# Altium PCB LimeSDR-QPCIe_1v2.PcbDoc (part 16 of 21) (continued)
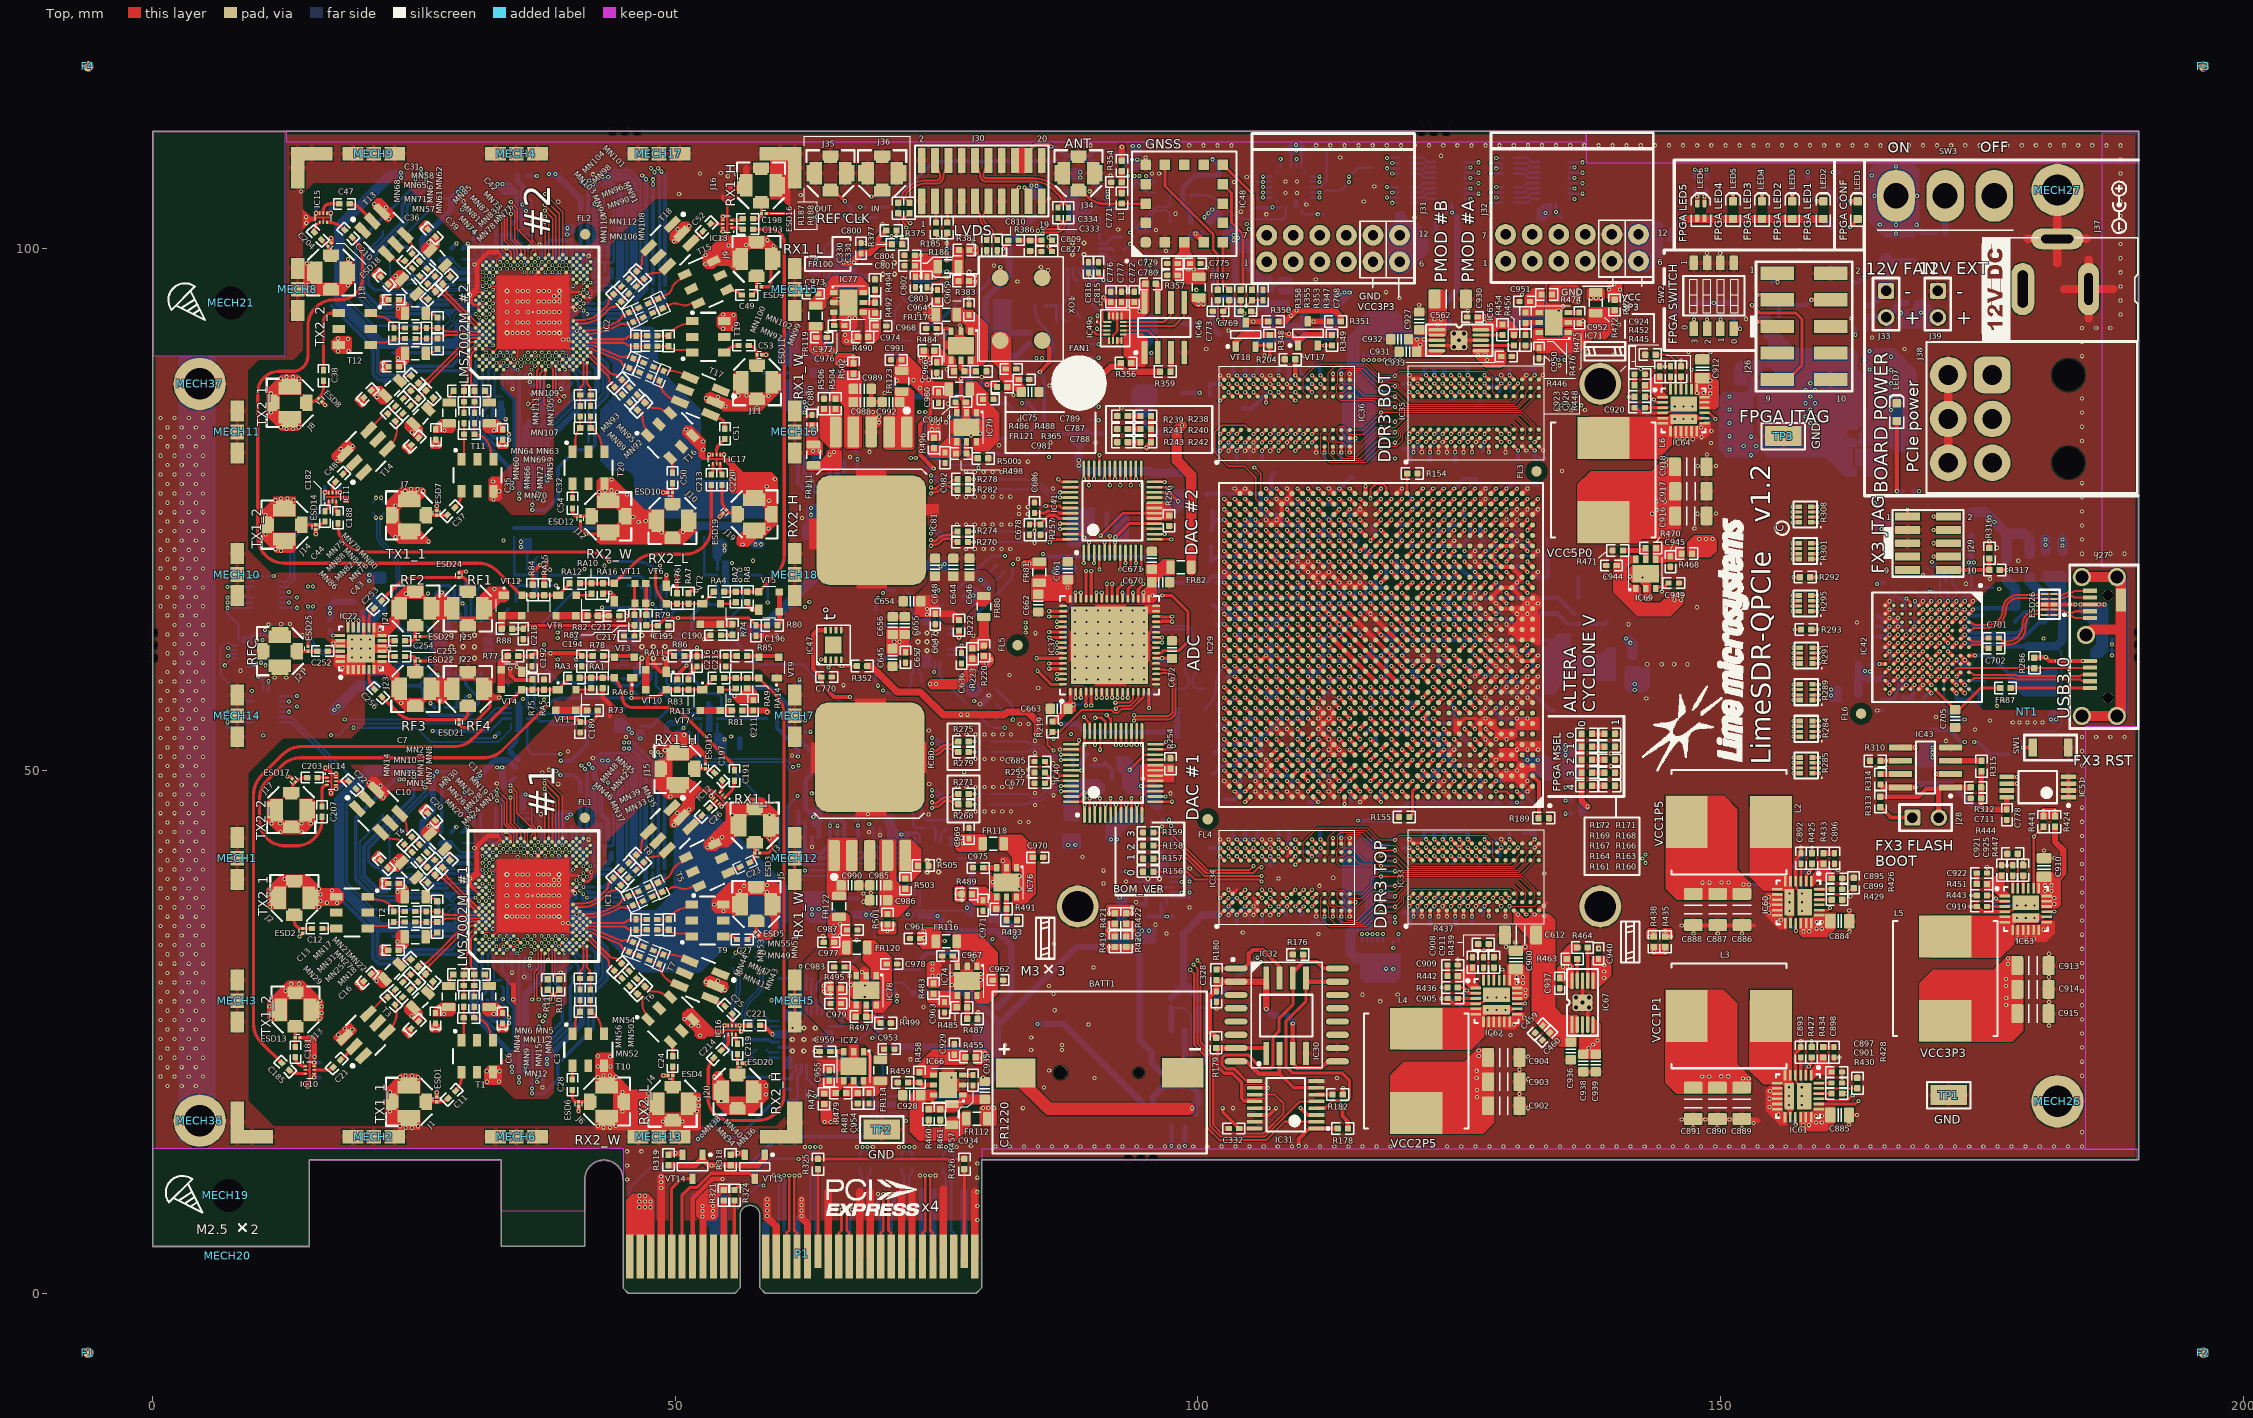
[diagram p0: Top view]
## Nets (pads, with @x,y where several pads share a name; then routed paths per layer and width w, separated by ;. In a path a pad name is that pad's centre, name@x,y a point inside that pad or via, vN(x,y) a via of type N, cw(c..) or ccw(c..) an arc to the next point about the centre after c; other vN are vias at no path point) (continued)
  L3 w0.4: v1(59.1,20.7) 59.825,21.425 ; v1(59.2,28.025) 59.825,27.4 59.825,21.425 ; v1(63.35,18.85) 63.35,19.5 61.425,21.425 59.825,21.425
  Bottom w0.3: FR71.2@56,20.55 56.15,20.7 v1(59.1,20.7) 59.25,20.55 C234.2@60.1,20.55 C238.2@61.1,20.55 61.1,20.9 61.55,21.35 IC19.22@61.55,21.875 ; v1(59.2,28.025) C241.2@59.725,28.025 C242.2@60.725,28.025 61.55,27.2 IC19.3@61.55,26.675 ; C235.2@62.55,20.55 63.75,19.35 C237.2@63.75,18.85 ; C235.2@62.55,20.575 IC19.20@62.55,21.875
  Bottom w0.4: v1(63.35,18.85) C237.2@63.75,18.85
NetC236_2: C236.2 IC20.1 R102.1 | length 3.3
  Bottom w0.309: R102.1@67.363,28.631 67.363,29.606 C236.2@67.629,29.871 67.982,30.225 68.625,30.225 68.875,29.975 IC20.1@68.875,29.5
NetC240_1: C240.1 IC19.7 | length 1.4
  Bottom w0.3: IC19.7@63.55,26.675 C240.1@63.55,28.025
NetC243_2: C243.2 C244.1 IC20.3 R103.1 R104.2 | length 4.8
  Bottom w0.25: IC20.3@69.875,29.7 69.875,30.95 C244.1@69.882,30.957 C243.2@71.107,30.957 R104.2@72.357,30.957 R103.1@73.457,30.957
NetC249_1: C249.1 C250.2 R109.2 | length 2.3
  Bottom w0.25: C249.1@72.775,45.9 72.75,45.875 R109.2@72.75,44.8 73,44.55 C250.2@73.85,44.55
NetC250_1: C250.1 IC21.13 | length 1.3
  Bottom w0.25: C250.1@74.85,44.55 74.9,44.5 IC21.13@74.9,43.25
NetC251_2: C251.2 IC21.14 | length 1.5
  Bottom w0.25: IC21.14@75.4,43.25 75.4,43.95 C251.2@75.975,44.525
NetC252_1: C252.1 ESD25.1 J21.1 | length 1.9
  Top w0.309: J21.1@13.776,61.425 J21.1@13.876,61.425 C252.1@15.701,61.425
NetC252_2: C252.2 IC22.22 | length 1.2
  Top w0.309: C252.2@16.751,61.425 IC22.22@17.938,61.425
NetC253_1: C253.1 IC22.14 | length 2
  Top w0.309: IC22.14@20.688,63.675 20.688,64.326 cw(c22.405,64.326) C253.1@21.191,65.54
NetC253_2: C253.2 ESD24.1 J25.1 | length 10.1
  Top w0.309: C253.2@21.929,66.279 23.482,67.831 cw(c25.036,66.276) 25.036,68.475 29.55,68.475 cw(c29.55,67.875) 30.15,67.875 J25.1@30.15,67.225 J25.1@30.15,67.125
NetC254_1: C254.1 IC22.11 | length 1.2
  Top w0.309: IC22.11@21.938,62.425 C254.1@23.15,62.425
NetC254_2: C254.2 ESD23.1 J24.1 | length 2.4
  Top w0.3: J24.1@25.125,63.825 J24.1@25.125,63.925
  Top w0.309: C254.2@24.15,62.425 24.838,62.425 ccw(c24.838,62.712) 25.125,62.712 J24.1@25.125,63.825
NetC255_1: C255.1 IC22.8 | length 1.2
  Top w0.309: IC22.8@21.938,60.925 C255.1@23.15,60.925
NetC255_2: C255.2 ESD22.1 J23.1 | length 2.4
  Top w0.309: C255.2@24.15,60.925 24.838,60.925 cw(c24.838,60.638) 25.125,60.638 J23.1@25.125,59.525 J23.1@25.125,59.425
NetC256_1: C256.1 IC22.5 | length 2
  Top w0.309: IC22.5@20.688,59.675 20.688,59.024 ccw(c22.405,59.024) C256.1@21.191,57.81
NetC256_2: C256.2 ESD21.1 J22.1 | length 10.1
  Top w0.309: C256.2@21.929,57.071 23.482,55.519 ccw(c25.036,57.074) 25.036,54.875 29.55,54.875 ccw(c29.55,55.475) 30.15,55.475 J22.1@30.15,56.125 J22.1@30.15,56.225
NetC270_2: C270.2 IC23.1 R114.1 | length 2.6
  Bottom w0.3: R114.1@34.763,57.494 35.875,57.494 IC23.1@35.875,56.038
NetC271_2: C271.2 C272.1 IC23.3 R115.1 R116.2 | length 4.9
  Bottom w0.25: IC23.3@35.822,54.985 C272.1@36.965,54.985 ; C272.1@36.965,54.735 C271.2@38.215,54.735 ; C271.2@38.06,54.41 R116.2@39.44,54.41 R115.1@40.54,54.41
NetC273_1: C273.1 IC24.18 | length 2.3
  Bottom w0.3: IC24.18@30.95,59.45 30.95,58.408 C273.1@31.829,57.529
NetC278_2: C278.2 C279.2 C280.2 C282.2 C283.2 C286.2 C287.2 FR75.2 IC24.3 IC24.20 IC24.22 | length 37.6
  L6 w0.4: v1(26.35,66.95) 27.05,67.65 29.05,67.65 30.375,66.325 30.375,65.625 27.25,62.5 v1(27.25,59.2)
  Bottom w0.3: FR75.2@23.475,58.114 25.514,58.114 ; v1(26.35,66.95) 26.35,66.375 C286.2@27.125,65.6 C283.2@28.125,65.6 28.95,64.775 IC24.3@28.95,64.25 ; IC24.22@28.95,59.45 28.95,58.925 28.5,58.475 C280.2@28.5,58.125 C282.2@27.5,58.125 27.5,58.95 v1(27.25,59.2) 26.6,59.2 25.514,58.114 ; IC24.20@29.95,59.45 29.95,58.2 31.15,57 C279.2@31.15,56.425 30.65,55.925 30.65,55.657 30.293,55.3 26.525,55.3 25.875,55.95 25.875,57.753 25.514,58.114
NetC281_2: C281.2 IC25.1 R125.1 | length 2.6
  Bottom w0.3: R125.1@34.763,66.206 34.763,67.438 35.043,67.718 IC25.1@36.057,67.718
NetC285_1: C285.1 IC24.7 | length 1.4
  Bottom w0.3: IC24.7@30.95,64.25 C285.1@30.95,65.6
NetC288_2: C288.2 C289.1 IC25.3 R128.1 R129.2 | length 4.8
  Bottom w0.25: R128.1@34.575,72.3 R129.2@34.575,71.2 C288.2@34.575,69.95 C289.1@34.575,68.725 34.582,68.718 IC25.3@35.832,68.718
NetC294_2: C294.2 IC26.1 R134.1 | length 3.2
  Bottom w0.3: R134.1@52.963,57.494 53.082,57.375 54.05,57.375 54.425,57 54.425,56.1 54.31,55.985 IC26.1@53.8,55.985
NetC295_2: C295.2 C296.1 IC26.3 R135.1 R136.2 | length 4.7
  Bottom w0.25: IC26.3@54.022,54.985 C296.1@55.165,54.985 C295.2@56.415,54.985 R136.2@57.64,54.985 R135.1@58.74,54.985
NetC297_1: C297.1 IC27.18 | length 2.3
  Bottom w0.3: IC27.18@49.15,59.45 49.15,58.408 C297.1@50.029,57.529
NetC302_2: C302.2 C303.2 C304.2 C306.2 C307.2 C310.2 C311.2 FR76.2 IC27.3 IC27.20 IC27.22 | length 48.2
  L4 w0.4: v1(37.45,62.05) 37.45,62.95 40.1,65.6 v1(42.975,65.6)
  L10 w0.4: v1(37.45,62.05) 37.45,60.433 39.558,58.325 42.325,58.325 46.65,54 v1(46.65,53.075)
  Bottom w0.3: v1(37.45,62.05) 37.45,59.875 38.925,58.4 C303.2@42.05,58.4 42.45,58.8 43.825,58.8 44.5,58.125 46.35,58.125 47.15,58.925 IC27.22@47.15,59.45 ; v1(42.975,65.6) C310.2@45.325,65.6 C311.2@46.325,65.6 47.15,64.775 IC27.3@47.15,64.25 ; FR76.2@46.65,54.275 47.75,54.275 C302.2@48.225,54.75 49.35,55.875 49.35,56.925 C307.2@48.15,58.125 ; C307.2@48.15,58.15 IC27.20@48.15,59.45
NetC305_2: C305.2 IC28.1 R147.1 | length 3.2
  Bottom w0.3: R147.1@52.963,66.206 53.295,65.875 54.025,65.875 54.2,66.05 54.2,66.9 54.025,67.075 IC28.1@54.025,67.711
NetC309_1: C309.1 IC27.7 | length 1.4
  Bottom w0.3: IC27.7@49.15,64.25 C309.1@49.15,65.6
NetC312_2: C312.2 C313.1 IC28.3 R148.1 R149.2 | length 4.8
  Bottom w0.25: R148.1@52.775,72.3 R149.2@52.775,71.2 C312.2@52.775,69.95 C313.1@52.775,68.725 52.782,68.718 IC28.3@54.032,68.718
NetC642_1: C642.1 R215.2 | length 1.1
  Bottom w0.254: R215.2@80.037,55.666 80.037,55.631 C642.1@80.762,54.906
NetC642_2: C642.2 R216.2 | length 1.1
  Bottom w0.254: R216.2@80.726,56.356 C642.2@81.469,55.613
NetC652_1: C652.1 R230.2 | length 1.1
  Bottom w0.254: R230.2@80.734,68.287 80.769,68.287 C652.1@81.494,69.012
NetC652_2: C652.2 R231.2 | length 1.1
  Bottom w0.254: R231.2@80.044,68.976 C652.2@80.787,69.719
NetC677_2: C677.2 IC40.44 R255.2 | length 3.6
  Top w0.25: C677.2@85.375,48.8 85.875,49.3 ; R255.2@85.375,49.825 85.375,49.8 85.875,49.3 ; IC40.44@87.875,49.025 86.7,49.025 86.425,49.3 85.875,49.3
NetC678_2: C678.2 IC41.44 R257.2 | length 5
  Top w0.309: C678.2@83.895,73.555 83.96,73.62 84.945,73.62 85.75,74.425 86.375,74.425 86.675,74.125 IC41.44@88.45,74.125
NetC685_2: C685.2 IC40.43 | length 3.2
  Top w0.25: C685.2@85.375,50.875 85.375,50.708 86.333,49.75 86.675,49.75 86.9,49.525 IC40.43@87.875,49.525
NetC686_2: C686.2 IC41.43 | length 4.2
  Top w0.309: C686.2@84.375,74.65 85.397,74.65 85.581,74.834 86.544,74.834 86.753,74.625 IC41.43@88.45,74.625
NetC706_1: C706.1 FR88.2 J27.11 J27.12 | length 44.4
  Top w1: J27.11@184.579,55.225 J27.11@187.929,55.225 188.319,55.615 188.319,63.5 ; J27.11@184.579,68.525 J27.11@187.929,68.525 188.319,68.135 J27.12@188.319,66.315 188.319,63.5 ; J27.11@184.979,62.975 185.504,63.5 188.319,63.5
  Bottom w1: J27.11@184.579,55.225 J27.11@187.929,55.225 188.525,55.821 C706.1@188.525,62.575 188.525,67.929 J27.11@187.929,68.525 J27.11@184.579,68.525
NetC714_1: C714.1 C715.2 FR92.1 IC42.A7 | length 7.5
  Top w0.4: IC42.A7@173.775,61 v2(174.341,61)
  Bottom w0.4: v2(174.341,61) 175.85,61 177.65,59.2 C714.1@180.525,59.2
NetC716_1: C716.1 C717.2 FR93.1 IC42.A2 | length 7.4
  Top w0.4: IC42.A2@173.775,65 v2(174.175,65.4)
  Bottom w0.4: v2(174.175,65.4) 174.3,65.525 C716.1@177.225,65.525 ; C716.1@177.075,65.5 C717.2@178,65.5
  Bottom w1: FR93.1@177.4,68.2 178.225,67.375 C717.2@178.225,65.725
NetC718_1: C718.1 C719.2 FR94.1 IC42.B5 | length 14.4
  Top w0.4: IC42.B5@172.975,62.6 v2(173.375,63)
  Bottom w0.4: v2(173.375,63) 173.7,62.675 178.975,62.675 C718.1@180.475,64.175 181,64.175 C719.2@181.65,64.825
  Bottom w1: FR94.1@179.6,68.55 179.6,68.075 181.65,66.025 C719.2@181.65,64.825
NetC747_2: C747.2 C748.1 C749.1 J30.16 J30.18 R322.2 R323.2 | length 12.4
  Top w0.3: J30.18@83.787,108.375 83.787,109.212 84.45,109.875 85.8,109.875 v1(85.975,109.7)
  Bottom w0.4: v1(85.975,109.7) 86.025,109.65 C749.1@86.425,109.65 87.25,108.825 89.675,108.825 90.175,109.325 C747.2@91.575,109.325 91.825,109.075 R322.2@93.05,109.075 R323.2@93.05,107.828
NetC758_1: C758.1 C759.1 J31.6 J31.12 R335.1
NetC760_1: C760.1 C761.1 J32.6 J32.12 R336.1
NetC764_1: C764.1 C765.1 J33.2 R338.1 R339.1 | length 7.5
  Bottom w0.6: R339.1@163.925,92.2 C765.1@163.925,93.45 165.755,93.45 J33.2@165.85,93.355 167.27,94.775 R338.1@167.8,94.775 ; C764.1@166.025,91.45 J33.2@166.025,93.18
NetC765_2: C765.2 J33.1 R342.2 VT16.D | length 7.8
  Bottom w0.6: C765.2@163.925,94.45 164.405,94.45 J33.1@165.85,95.895 ; VT16.D@166.1,98.75 R342.2@168.5,98.75
  Bottom w1.5: J33.1@165.85,95.895 VT16.D@165.85,98.775
NetC771_2: C771.2 L1.2 R354.2 | length 2.1
  Top w0.6: L1.2@92.725,105.25 R354.2@92.725,107.35
NetC774_2: C774.2 IC48.14 R360.1 R361.1 | length 129.6
  Top w0.6: v1(99.775,101.375) 100.55,100.6 IC48.14@100.55,100.55
  L3 w0.6: v1(84.65,25.75) 84.65,28.275 72.275,40.65 72.275,49.45 61.45,60.275 61.45,80.55 66.25,85.35 73.4,85.35 74.425,86.375 75.125,86.375 87.087,98.337 87.087,100.588 89.05,102.55 97.45,102.55 98.625,101.375 v1(99.775,101.375)
  Bottom w0.5: R361.1@98.975,100.775 99.575,101.375 v1(99.775,101.375) C774.2@100.325,101.375
  Bottom w0.6: v1(84.65,25.75) 87.15,25.75 R360.1@94.7,18.2
NetC782_1: C782.1 C783.2 R366.2 | length 2.2
  Bottom w0.254: C782.1@71,92.525 R366.2@71,93.575 cw(c72.328,93.575) 71.389,94.514 C783.2@71.5,94.625
NetC782_2: C782.2 R364.1 R379.1 R384.2 | length 1.5
  Bottom w0.254: C782.2@72,92.525 72.005,92.525 cw(c72.005,91.33) 72.849,92.176 73.177,91.848 ccw(c73.22,91.891) R364.1@73.22,91.83
NetC783_1: C783.1 IC52.13 | length 1.2
  Bottom w0.254: IC52.13@70.175,95.65 70.175,94.95 C783.1@70.5,94.625
NetC784_2: C784.2 IC52.14 | length 1.1
  Bottom w0.254: C784.2@69.375,94.625 69.675,94.925 IC52.14@69.675,95.65
NetC785_1: C785.1 C786.2 R371.2 | length 2.1
  Bottom w0.254: C786.2@71.375,101.775 R371.2@71.375,102.825 C785.1@71.375,103.925
NetC785_2: C785.2 R368.2 R372.1 R374.1 | length 1.1
  Bottom w0.254: R372.1@69.3,103.925 C785.2@70.375,103.925
NetC786_1: C786.1 IC52.28 | length 1.4
  Bottom w0.254: IC52.28@70.175,100.45 70.175,101.575 C786.1@70.375,101.775
NetC787_2: C787.2 C788.2 C789.1 R365.2 XO1.4
NetC790_2: C790.2 IC52.27 | length 1.5
  Bottom w0.254: C790.2@69.3,101.775 69.675,101.4 IC52.27@69.675,100.45
NetC795_2: C795.2 C796.2 R376.2 R380.1 XO2.5 XO3.4 | length 2.5
  Bottom w0.6: XO3.4@81.375,91.9 R376.2@83.875,91.9
NetC806_2: C806.2 C807.2 R385.2 XO4.9 | length 4
  Bottom w0.6: XO4.9@70.325,87.275 71.325,86.275 C807.2@71.725,86.275 72.25,86.275 C806.2@72.725,85.8 R385.2@73.75,85.8
NetC808_2: C808.2 XO4.7 | length 1.8
  Bottom w0.5: XO4.7@70.15,89.8 C808.2@71.925,89.8
NetC809_1: C809.1 IC53.5 | length 1.3
  Top w0.4: v1(85.7,101.025) 85.975,100.75 C809.1@86.05,100.75
  Bottom w0.3: v1(85.7,101.025) 85.8,100.925 IC53.5@86.5,100.925
NetC809_2: C809.2 C810.1 R386.2 | length 2.2
  Top w0.4: C810.1@82.85,100.75 C809.2@85.025,100.75
NetC812_2: C812.2 C813.1 C814.1 FR101.2 IC53.6 IC53.7
NetC817_2: C817.2 C818.1 IC53.18 R387.1 | length 7
  Bottom w0.2: IC53.18@88.55,98.025 88.55,97.623 89.723,96.45 90.075,96.45 C817.2@90.575,95.95
  Bottom w0.3: C817.2@90.575,95.95 90.575,95.575 C818.1@89.775,94.775 90.45,94.1 91.3,94.1 R387.1@91.675,94.475
NetC819_1: C819.1 C820.2 R393.2 | length 2.2
  Bottom w0.3: C819.1@90.325,105.075 C820.2@90.325,107.275
NetC819_2: C819.2 IC53.8 | length 3
  Bottom w0.3: IC53.8@88.55,101.825 88.55,102.321 90.304,104.075 C819.2@90.325,104.075
NetC820_1: C820.1 R389.2 | length 20.2
  Bottom w0.4: R389.2@71.375,104.975 73.931,107.531 cw(c75.727,105.735) 75.727,108.275 C820.1@90.325,108.275
NetC821_2: C821.2 C825.1 C826.1 FR102.1 IC54.1 R406.2 | length 8.2
  Bottom w0.3: FR102.1@77.08,83.85 C826.1@78.925,83.85 ; C826.1@78.925,83.875 C826.1@78.925,83.85 ; IC54.1@79.989,82.455 79.695,82.455 78.925,83.225 C826.1@78.925,83.85 ; R406.2@82.375,84.525 81.7,85.2 80.675,85.2 C825.1@80,84.525 79.325,83.85 C826.1@78.925,83.85
NetC822_2: C822.2 R390.1 R391.2 | length 2.6
  Bottom w0.309: R390.1@85.425,94.475 C822.2@86.475,94.475 86.475,92.95 R391.2@86.45,92.925
NetC823_1: C823.1 R398.2 | length 1.6
  Bottom w0.309: C823.1@87.45,94.025 88.125,94.025 R398.2@88.775,93.375
NetC823_2: C823.2 C824.2 IC53.20 R391.1 | length 5.4
  Bottom w0.25: R391.1@87.45,92.925 86.975,93.4 86.975,94.55 C823.2@87.45,95.025
  Bottom w0.3: C823.2@87.55,95.125 IC53.20@87.55,98.025
NetC827_1: C827.1 IC53.4 | length 1.5
  Top w0.4: v1(85.725,100.15) 86.05,99.825 C827.1@86.05,99.675
  Bottom w0.3: v1(85.725,100.15) 86,100.425 IC53.4@86.5,100.425
NetC828_2: C828.2 R394.1 R395.2 | length 2.3
  Bottom w0.309: R394.1@83.4,80.275 C828.2@84.45,80.275 84.611,80.436 ccw(c83.672,81.375) R395.2@85,81.375
NetC829_2: C829.2 IC53.12 R401.2 | length 2.4
  Bottom w0.3: IC53.12@90.6,100.425 91.275,100.425 C829.2@91.725,100.875 91.875,101.025 R401.2@92.775,101.025
NetC830_1: C830.1 IC54.3 IC54.4 R394.2 | length 3.2
  Bottom w0.3: IC54.3@79.989,81.155 IC54.4@79.989,80.505 80.4,80.505 80.63,80.275 C830.1@81.35,80.275 R394.2@82.4,80.275
NetC833_2: C833.2 C834.1 FR103.2 XO5.4
NetC835_1: C835.1 C836.2 R410.2 | length 2.1
  Bottom w0.254: C836.2@95.525,43.15 C835.1@95.525,45.3
NetC836_1: C836.1 IC55.21 | length 1.5
  Bottom w0.254: IC55.21@95.525,40.675 C836.1@95.525,42.15
NetC837_2: C837.2 C838.1 FR104.2 XO6.4
NetC839_2: C839.2 IC55.20 | length 1.7
  Bottom w0.254: C839.2@94.475,42.1 94.625,42.1 95.025,41.7 IC55.20@95.025,40.675
NetC840_1: C840.1 C841.2 FR105.2 XO7.1 XO7.6 | length 4.4
  Bottom w0.4: C840.1@86.474,82.235 XO7.1@87.75,82.235 XO7.6@89.6,82.235 C841.2@90.876,82.235
NetC852_1: C852.1 C853.2 FR108.2 XO8.1 XO8.6 | length 4.4
  Bottom w0.4: C853.2@86.474,88.21 XO8.1@87.75,88.21 XO8.6@89.6,88.21 C852.1@90.876,88.21
NetC854_2: C854.2 R413.2 | length 1
  Bottom w0.254: C854.2@94.725,103.675 R413.2@94.725,104.65
NetC857_2: C857.2 R415.2 | length 1
  Bottom w0.254: C857.2@93.625,103.675 R415.2@93.625,104.65
NetC862_1: C862.1 C863.2 FR109.2 XO9.1 XO9.6
NetC882_1: C882.1 IC60.15 | length 1.5
  Top w0.25: IC60.15@157.2,35.4 157.2,34.7 v1(157.225,34.675)
  Bottom w0.25: C882.1@156.6,35 156.9,35 v1(157.225,34.675)
NetC882_2: C882.2 IC60.5 IC60.6 IC60.7 IC60.14 IC60.26 L2.1
  other v4: 156.6,36.55 156.6,37.4 156.6,38.25
NetC883_1: C883.1 IC61.15 | length 1.5
  Top w0.25: IC61.15@157.175,16.85 157.175,16.15 v1(157.2,16.125)
  Bottom w0.25: C883.1@156.575,16.45 156.875,16.45 v1(157.2,16.125)
NetC883_2: C883.2 IC61.5 IC61.6 IC61.7 IC61.14 IC61.26 L3.1
  other v4: 156.575,18 156.575,18.85 156.575,19.7
NetC892_1: C892.1 IC60.3 | length 2.1
  Top w0.309: IC60.3@157.7,39 C892.1@157.7,41.1
NetC893_1: C893.1 IC61.3 | length 2.1
  Top w0.309: IC61.3@157.675,20.45 C893.1@157.675,22.55
NetC894_1: C894.1 IC62.15 | length 1.5
  Top w0.25: IC62.15@130.575,27.7 131.275,27.7 v1(131.3,27.725)
  Bottom w0.25: C894.1@130.975,27.1 130.975,27.4 v1(131.3,27.725)
NetC894_2: C894.2 IC62.5 IC62.6 IC62.7 IC62.14 IC62.26 L4.1
  other v4: 127.725,27.1 128.575,27.1 129.425,27.1
NetC895_1: C895.1 IC60.1 R433.2
NetC896_1: C896.1 R433.1 | length 1.1
  Top w0.5: R433.1@159.843,42.1 C896.1@160.907,42.1
NetC897_1: C897.1 IC61.1 R434.2
NetC898_1: C898.1 R434.1 | length 1.1
  Top w0.5: R434.1@159.818,23.55 C898.1@160.882,23.55
NetC899_1: C899.1 IC60.24 | length 1.7
  Top w0.309: IC60.24@159.05,38.65 C899.1@160.7,38.65
NetC901_1: C901.1 IC61.24 | length 1.7
  Top w0.309: IC61.24@159.025,20.1 C901.1@160.675,20.1
NetC905_1: C905.1 IC62.3 | length 2.1
  Top w0.309: C905.1@124.875,28.2 IC62.3@126.975,28.2
NetC906_1: C906.1 IC63.15 | length 1.5
  Top w0.25: IC63.15@181.213,36.5 181.913,36.5 v1(181.938,36.525)
  Bottom w0.25: C906.1@181.613,35.9 181.613,36.2 v1(181.938,36.525)
NetC906_2: C906.2 IC63.5 IC63.6 IC63.7 IC63.14 IC63.26 L5.1
  other v4: 178.363,35.9 179.213,35.9 180.063,35.9
NetC907_1: C907.1 IC64.15 | length 3.3
  Top w0.25: IC64.15@148.087,84.225 IC64.15@148.475,84.225 148.937,84.225 v1(149.513,83.65)
  Bottom w0.25: C907.1@148.075,84.15 148.575,83.65 v1(149.513,83.65)
NetC907_2: C907.2 IC64.5 IC64.6 IC64.7 IC64.14 IC64.26 L6.1
  other v4: 145.625,83.625 146.475,83.625 147.325,83.625
NetC908_1: C908.1 IC62.1 R442.2
NetC909_1: C909.1 R442.1 | length 1.1
  Top w0.5: R442.1@123.875,30.343 C909.1@123.875,31.407
NetC911_1: C911.1 IC62.24 | length 1.7
  Top w0.309: IC62.24@127.325,29.55 C911.1@127.325,31.2
NetC919_1: C919.1 IC63.3 | length 2.1
  Top w0.309: C919.1@175.513,37 IC63.3@177.613,37
NetC920_1: C920.1 IC64.3 | length 2.1
  Top w0.309: C920.1@142.775,84.725 IC64.3@144.875,84.725
NetC921_1: C921.1 IC63.1 R451.2
NetC922_1: C922.1 R451.1 | length 1.1
  Top w0.5: R451.1@174.513,39.143 C922.1@174.513,40.207
NetC923_1: C923.1 IC64.1 R452.2
NetC924_1: C924.1 R452.1 | length 1.1
  Top w0.5: R452.1@141.775,86.868 C924.1@141.775,87.932
NetC925_1: C925.1 IC63.24 | length 1.7
  Top w0.309: IC63.24@177.963,38.35 C925.1@177.963,40
NetC926_2: C926.2 IC64.24 | length 1.7
  Top w0.309: IC64.24@145.225,86.075 C926.2@145.225,87.725
NetC928_2: C928.2 FR112.2 IC66.6 R457.1
NetC929_2: C929.2 IC66.4 R455.2 R458.2
NetC934_2: C934.2 IC66.3 | length 1
  Top w0.4: IC66.3@77.5,20.875 C934.2@78.475,20.875
NetC935_2: C935.2 IC66.1 R457.2 R460.2 R461.2
NetC941_2: C941.2 C946.2 FR113.2 IC68.1 IC68.6 IC70.1 IC70.3 | length 23.2
  Bottom w0.6: C946.2@102,91.775 101.325,92.45 101.325,93.349 101.7,93.724 IC70.3@101.7,94 101.7,94.625 102.225,95.15 103.15,95.15 103.6,94.7 IC70.1@103.6,94 103.6,93.35 C941.2@105.35,91.6 105.875,91.075 109.75,91.075 110.125,91.45 FR113.2@110.125,91.925 ; IC68.1@108,93.125 108.575,92.55 110.05,92.55 110.125,92.625
  Bottom w0.7: IC68.6@108,95.925 109.45,95.925 110.125,95.25 110.125,92.625 FR113.2@110.125,91.925
NetC942_2: C942.2 IC68.4 R465.2 R466.2
NetC943_2: C943.2 IC68.3 | length 1.4
  Bottom w0.5: IC68.3@106.1,93.125 106.1,92.375 C943.2@106.55,91.925
NetC945_2: C945.2 IC69.4 R468.2 R470.2
NetC947_2: C947.2 IC70.5 R469.2 | length 2.2
  Bottom w0.6: IC70.5@103.6,96.6 R469.2@103.6,98.8
NetC948_1: C948.1 IC70.4 | length 1.3
  Bottom w0.6: C948.1@101.5,97.8 101.7,97.6 IC70.4@101.7,96.6
NetC949_2: C949.2 IC69.3 | length 1.5
  Top w0.3: IC69.3@143.8,67.425 143.8,67.575 144.65,67.575 C949.2@145.025,67.95
NetC950_2: C950.2 IC71.1 IC71.6 R472.1 R473.1
NetC951_2: C951.2 IC71.4 R474.2 R475.2
NetC952_2: C952.2 IC71.3 | length 1
  Top w0.5: IC71.3@135.45,93.825 C952.2@136.5,93.825
NetC954_2: C954.2 FR114.2 IC72.1 IC72.6 | length 3
  Top w0.4: IC72.1@68.015,23.114 68.189,23.114 68.615,22.688 68.615,20.5
NetC955_2: C955.2 IC72.4 R477.2 R479.2
NetC957_2: C957.2 FR115.2 IC73.1 IC73.6 | length 3.1
  Bottom w0.4: 60.9,89.625 63.275,89.625 63.539,89.361 IC73.1@63.539,88.99
NetC958_2: C958.2 IC73.4 R478.2 R480.2
NetC959_2: C959.2 IC72.3 | length 1.3
  Top w0.5: C959.2@64.825,23.125 IC72.3@66.115,23.125
NetC960_2: C960.2 IC73.3 | length 1.4
  Bottom w0.4: IC73.3@63.539,87.09 64.254,86.375 C960.2@64.675,86.375
NetC962_2: C962.2 FR116.2 IC74.1 IC74.6
NetC963_2: C963.2 IC74.4 R483.2 R485.2
NetC965_2: C965.2 FR117.2 IC75.1 IC75.6
NetC966_2: C966.2 IC75.4 R484.2 R486.2
NetC967_2: C967.2 IC74.3 | length 1.2
  Top w0.5: C967.2@76.55,32.25 76.975,31.825 IC74.3@76.975,31.275
NetC968_2: C968.2 IC75.3 | length 1.5
  Top w0.4: C968.2@75,92.3 76.125,92.3 IC75.3@76.375,92.05
NetC970_2: C970.2 FR118.2 IC76.1 IC76.6
NetC971_2: C971.2 IC76.4 R489.2 R491.2
NetC973_2: C973.2 FR119.2 IC77.1 IC77.6
NetC974_2: C974.2 IC77.4 R490.2 R492.2
NetC975_2: C975.2 IC76.3 | length 1.3
  Top w0.5: C975.2@79.475,40.7 IC76.3@80.75,40.7
NetC976_2: C976.2 IC77.3 | length 1.3
  Top w0.5: IC77.3@65.175,93.85 65.175,92.6 C976.2@65.2,92.575
NetC978_2: C978.2 FR120.2 IC78.1 IC78.6
NetC979_2: C979.2 IC78.4 R495.2 R497.2
NetC981_2: C981.2 FR121.2 IC79.1 IC79.6
NetC982_2: C982.2 IC79.4 R496.2 R498.2
NetC983_2: C983.2 IC78.3 | length 1.7
  Top w0.5: C983.2@66.2,31.2 66.9,31.2 67.325,30.775 IC78.3@67.325,30.375
NetC984_2: C984.2 IC79.3 | length 1.1
  Top w0.5: C984.2@76.8,85.25 76.925,85.125 IC79.3@76.925,84.25
NetC985_2: C985.2 C986.2 IC80.4 R501.2 R503.2 | length 7.4
  Top w0.309: R501.2@70.305,36.294 IC80.4@70.305,41.875 ; C985.2@70.314,39.01 70.639,38.685 R503.2@72.014,38.685
NetC988_2: C988.2 C989.2 IC81.4 R502.2 R504.2 | length 7.4
  Top w0.309: R504.2@65.336,85.59 66.711,85.59 C988.2@67.036,85.265 ; IC81.4@67.045,82.4 R502.2@67.045,87.981
NetC990_2: C990.2 FR122.2 IC80.1 IC80.2 | length 4.2
  Top w0.309: IC80.1@65.19,41.875 65.19,39.684 C990.2@65.864,39.01 65.864,38.21 FR122.2@65.664,38.01
NetC992_2: C992.2 FR123.2 IC81.1 IC81.2 | length 4.2
  Top w0.309: FR123.2@71.686,86.265 71.486,86.065 C992.2@71.486,85.265 72.16,84.591 IC81.1@72.16,82.4
NetFR80_1: FR80.1 R220.1 R223.1 | length 2
  Top w1: 79.525,62.525 FR80.1@79.525,64.475
NetFR87_1: FR87.1 J27.1 | length 7.6
  Top w0.309: FR87.1@177.775,57.9 J27.1@185.349,57.9
NetFR98_2: FR98.2 R365.1 R380.2 R382.1 | length 23.3
  Top w0.6: v1(79.825,86.95) 80.525,86.95 R365.1@80.775,86.7
  Bottom w0.6: R382.1@76.775,85.8 77.025,85.8 78.175,86.95 ; v1(79.825,86.95) 78.175,86.95 ; FR98.2@84.45,103.025 81.95,100.525 81.95,97.4 79.7,95.15 R380.2@79.7,94.75 79.7,90.3 78.175,88.775 78.175,86.95
NetFR100_1: FR100.1 R381.2 R383.1
NetIC1_D6: IC1.D6 R54.2 | length 0.6
  Bottom w0.25: R54.2@31.5,34.665 31.5,34.569 v3(31.884,34.185)
NetIC1_D28: IC1.D28 R16.1 | length 6.3
  L12 w0.1: v1(30.312,46.116) 30.884,46.116 31.884,45.116 v3(31.884,41.511)
  Bottom w0.4: R16.1@29.587,46.116 v1(30.312,46.116)
NetIC1_F18: IC1.F18 R19.1 | length 2.2
  Bottom w0.25: v3(32.55,38.181) 32.788,37.943 33.285,37.943 33.668,37.56 34.4,37.56 R19.1@34.452,37.611
NetIC1_F28: IC1.F28 R15.1 | length 3.6
  Bottom w0.2: R15.1@29.637,43.091 30.834,43.091 32.414,41.511 v3(32.55,41.511)
NetIC1_F30: IC1.F30 R13.1 | length 2.7
  Bottom w0.2: R13.1@30.737,43.891 30.737,43.613 32.173,42.177 v3(32.55,42.177)
NetIC1_J5: IC1.J5 R49.1 | length 1.1
  Bottom w0.11: R49.1@33.255,34.835 33.255,34.612 33.549,34.319 v3(33.549,33.852)
NetIC1_K2: IC1.K2 R55.1 | length 0.5
  Bottom w0.3: v3(33.882,32.853) 33.989,32.853 R55.1@34.253,33.117 ; R55.1@34.253,33.142 R55.1@34.253,33.117 ; R55.1@34.278,33.142 R55.1@34.253,33.117
NetIC2_D6: IC2.D6 R71.2 | length 0.6
  Bottom w0.25: R71.2@31.527,90.502 31.527,90.406 v3(31.911,90.022)
NetIC2_D28: IC2.D28 R36.1 | length 6.2
  L12 w0.1: v1(30.338,101.953) 30.758,101.953 31.911,100.801 v3(31.911,97.348)
  Bottom w0.4: R36.1@29.613,101.953 v1(30.338,101.953)
NetIC2_F18: IC2.F18 R38.1 | length 2.2
  Bottom w0.25: v3(32.577,94.018) 32.815,93.78 33.312,93.78 33.694,93.397 34.427,93.397 R38.1@34.478,93.449
NetIC2_F28: IC2.F28 R34.1 | length 3.6
  Bottom w0.2: R34.1@29.663,98.928 30.861,98.928 32.441,97.348 v3(32.577,97.348)
NetIC2_F30: IC2.F30 R33.1 | length 2.7
  Bottom w0.2: R33.1@30.763,99.728 30.763,99.45 32.199,98.014 v3(32.577,98.014)
NetIC2_J5: IC2.J5 R66.1 | length 1.1
  Bottom w0.11: R66.1@33.282,90.672 33.282,90.449 33.576,90.156 v3(33.576,89.689)
NetIC2_K2: IC2.K2 R72.1 | length 0.5
  Bottom w0.3: v3(33.909,88.69) 34.016,88.69 R72.1@34.28,88.954 ; R72.1@34.28,88.979 R72.1@34.28,88.954 ; R72.1@34.305,88.979 R72.1@34.28,88.954
NetIC19_6: IC19.6 R107.1 | length 3.5
  Bottom w0.3: IC19.6@63.05,26.675 63.05,30.075 R107.1@63.1,30.125
NetIC19_8: IC19.8 R100.2 | length 2.1
  Bottom w0.3: IC19.8@64.05,26.675 64.05,27.45 64.454,27.854 R100.2@65.171,27.854
NetIC19_11: IC19.11 IC19.12
NetIC19_13: IC19.13 IC19.14
NetIC19_17: IC19.17 R92.2 | length 2.1
  Bottom w0.3: IC19.17@64.05,21.875 64.05,21.1 64.454,20.696 R92.2@65.171,20.696
NetIC19_28: IC19.28 R108.1 | length 3.4
  Bottom w0.3: R108.1@56.625,24.25 58.95,24.25 59.175,24.025 IC19.28@59.9,24.025
NetIC21_31: IC21.31 R110.2 | length 1.3
  Bottom w0.25: R110.2@73.4,37.1 IC21.31@73.4,38.45
NetIC24_6: IC24.6 R132.1 | length 3.5
  Bottom w0.3: IC24.6@30.45,64.25 R132.1@30.45,67.65 R132.1@30.5,67.7
NetIC24_8: IC24.8 R126.2 | length 2.1
  Bottom w0.3: IC24.8@31.45,64.25 31.45,65.025 31.854,65.429 R126.2@32.571,65.429
NetIC24_11: IC24.11 IC24.12
NetIC24_13: IC24.13 IC24.14
NetIC24_17: IC24.17 R117.2 | length 2.1
  Bottom w0.3: IC24.17@31.45,59.45 31.45,58.675 31.854,58.271 R117.2@32.571,58.271
NetIC24_28: IC24.28 R133.1 | length 3.4
  Bottom w0.3: R133.1@24.025,61.825 26.35,61.825 26.575,61.6 IC24.28@27.3,61.6
NetIC27_6: IC27.6 R150.1 | length 3.5
  Bottom w0.3: IC27.6@48.65,64.25 R150.1@48.65,67.65 R150.1@48.7,67.7
NetIC27_8: IC27.8 R145.2 | length 2.1
  Bottom w0.3: IC27.8@49.65,64.25 49.65,65.025 50.054,65.429 R145.2@50.771,65.429
NetIC27_11: IC27.11 IC27.12
NetIC27_13: IC27.13 IC27.14
NetIC27_17: IC27.17 R137.2 | length 2.1
  Bottom w0.3: IC27.17@49.65,59.45 49.65,58.675 50.054,58.271 R137.2@50.771,58.271
NetIC27_28: IC27.28 R153.1 | length 3.4
  Bottom w0.3: R153.1@42.225,61.825 44.55,61.825 44.775,61.6 IC27.28@45.5,61.6
NetIC29_C1: IC29.C1 R189.1 | length 4.4
  Top w0.4: IC29.C1@132.025,49.5 132.625,48.9 132.625,45.575 R189.1@132.5,45.45
NetIC29_H10: IC29.H10 R190.2 R191.2 | length 14.6
  Top w0.4: v2(122.525,55) IC29.H10@123.025,54.5
  L6 w0.1: v2(122.525,55) 123.013,54.512 123.942,54.512 125.275,53.18 125.275,52.275 126.2,51.35 126.625,51.35 126.95,51.025 126.95,50.65 127.25,50.35 127.675,50.35 127.9,50.125 127.9,49.855 128.267,49.487 128.938,49.487 129.475,48.95 129.475,48 v1(130.525,46.95)
  Bottom w0.4: R191.2@129.9,46.95 R190.2@131,46.95
NetIC30_3: IC30.3 IC32.9 R181.1 | length 9.5
  Top w0.4: v1(109.085,25.81) 109.085,21.965 109.5,21.55 111.8,21.55 112.43,22.18 IC32.9@113.35,22.18
  Bottom w0.6: R181.1@108.525,26.575 109.085,26.015 v1(109.085,25.81)
NetIC30_7: IC30.7 IC32.1 R180.1 | length 9.1
  Top w0.4: R180.1@101.775,30.975 101.87,31.07 IC32.1@103.65,31.07 104.37,31.07 104.875,31.575 104.875,32.475 105.25,32.85 106.225,32.85 107.815,31.26 IC30.7@107.815,30.15
NetIC31_6: IC31.6 R182.1 | length 1.6
  Top w0.4: IC31.6@111.35,19 R182.1@112.95,19
NetIC37_38: IC37.38 R234.2 | length 1.9
  Top w0.3: IC37.38@92.8,66.2 IC37.38@92.8,66.45 v1(92.8,67.025)
  Bottom w0.3: v1(92.8,67.025) 93.575,66.25 R234.2@93.6,66.25
NetIC37_39: IC37.39 R236.2 | length 3.7
  Top w0.3: IC37.39@92.3,66.2 IC37.39@92.3,66.45 92.3,67.35 v1@92.8,67.85
  Bottom w0.3: R236.2@92.3,66.25 92.3,67.375 v1(92.8,67.875)
NetIC37_58: IC37.58 R235.1 | length 4
  Top w0.3: v1(86.525,61.25) IC37.58@87.1,61.25
  Bottom w0.3: v1(86.525,61.25) 86.661,61.25 87.35,61.939 R235.1@87.35,64.25
NetIC37_59: IC37.59 R237.1 | length 5.2
  Top w0.3: v1(84.55,60.75) IC37.59@87.1,60.75
  Bottom w0.3: v1(84.55,60.75) R237.1@87.2,60.75
NetIC38_1: IC38.1 R210.1 R213.2 | length 3.2
  Bottom w0.254: R210.1@69.15,60.25 69.354,60.454 cw(c70.25,59.558) R213.2@70.25,60.825 70.784,60.825 ccw(c70.784,61.166) 71.025,60.925 cw(c71.387,60.563) 71.387,61.075 IC38.1@72.075,61.075
NetIC38_2: IC38.2 R213.1 | length 1.9
  Bottom w0.254: R213.1@70.25,61.825 70.773,61.825 cw(c70.773,61.398) 71.075,61.7 ccw(c71.377,62.002) 71.377,61.575 IC38.2@72.075,61.575
NetIC38_5: IC38.5 R224.1 | length 1.9
  Bottom w0.254: R224.1@70.25,62.825 70.773,62.825 ccw(c70.773,63.252) 71.075,62.95 cw(c71.377,62.648) 71.377,63.075 IC38.5@72.075,63.075
NetIC38_6: IC38.6 R224.2 R229.1 | length 3.2
  Bottom w0.254: R229.1@69.15,64.4 69.354,64.196 ccw(c70.25,65.092) R224.2@70.25,63.825 70.784,63.825 cw(c70.784,63.484) 71.025,63.725 ccw(c71.387,64.087) 71.387,63.575 IC38.6@72.075,63.575
NetIC38_7: IC38.7 R225.1 R228.2 | length 3.2
  Bottom w0.254: R225.1@72,67.25 72.204,67.046 cw(c71.308,66.15) R228.2@72.575,66.15 72.575,65.627 ccw(c73.002,65.627) 72.7,65.325 cw(c72.398,65.023) 72.825,65.023 IC38.7@72.825,64.325
NetIC38_8: IC38.8 R228.1 | length 1.9
  Bottom w0.254: IC38.8@73.325,64.325 73.325,65.013 cw(c73.837,65.013) 73.475,65.375 ccw(c73.234,65.616) 73.575,65.616 R228.1@73.575,66.15